# Altium PCB balenaFin_v1_x_x.PcbDoc (part 6 of 7) (continued)
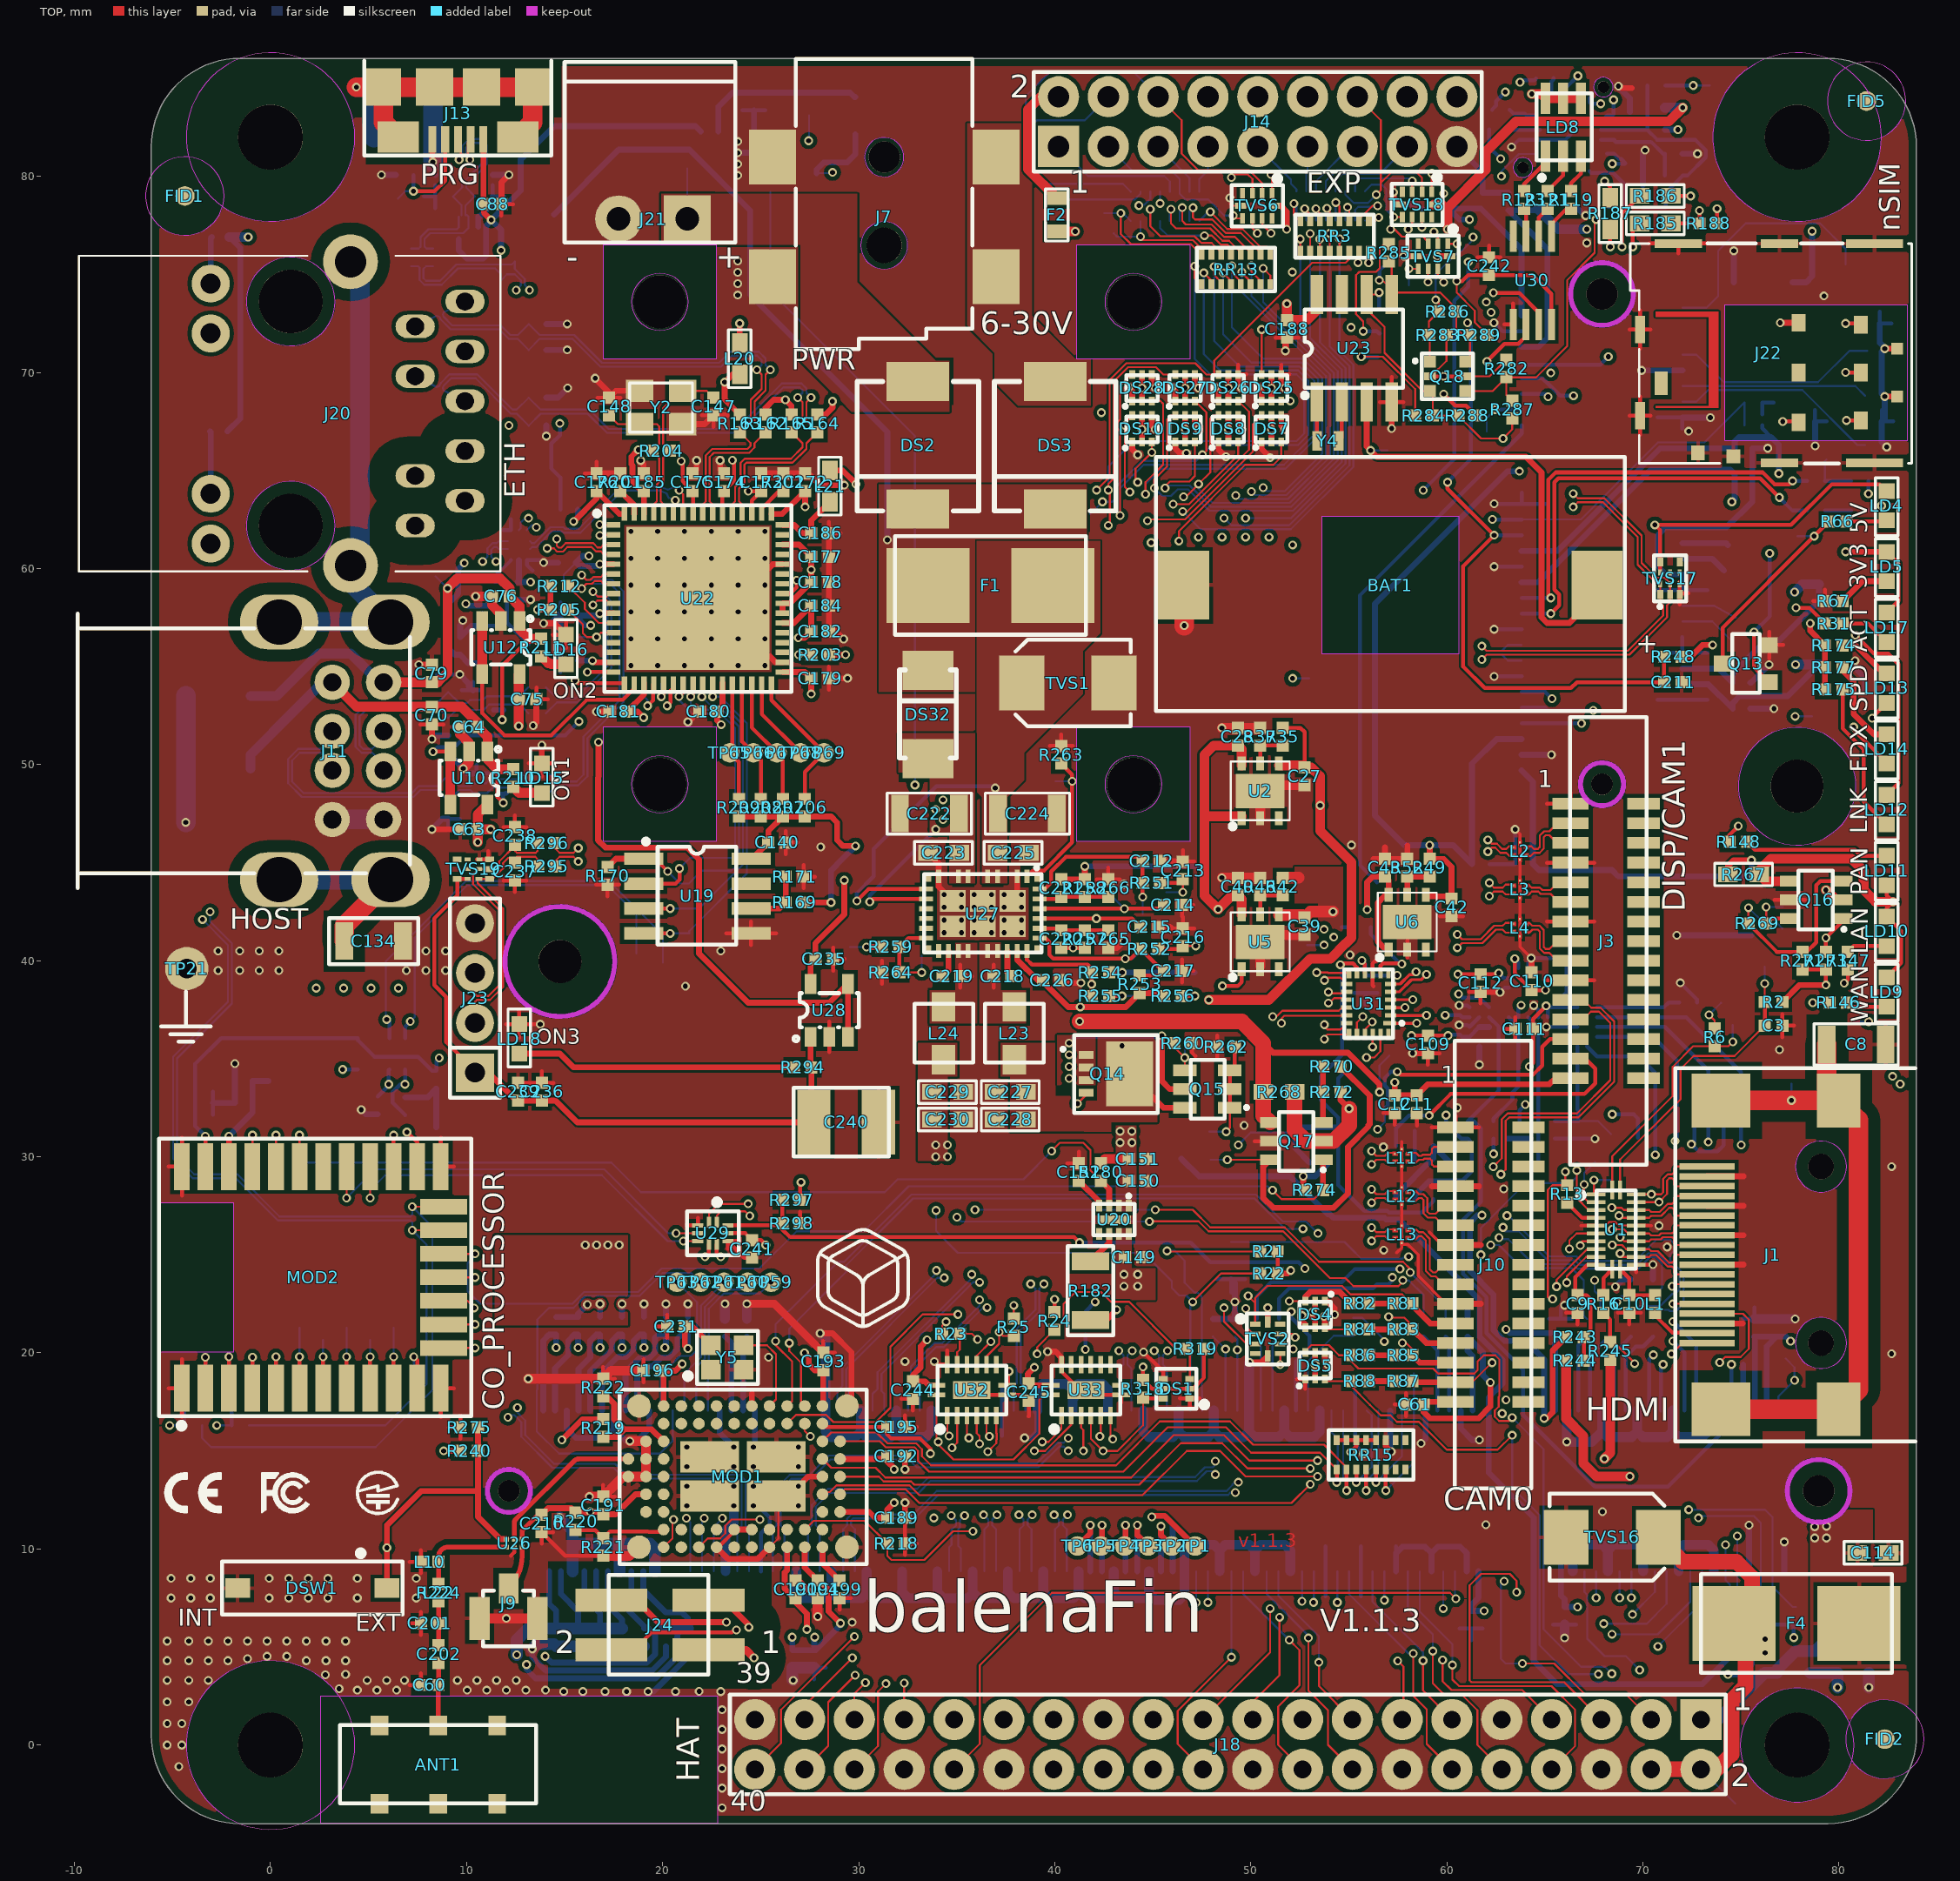
[diagram p0: TOP view]
## Nets (pads, with @x,y where several pads share a name; then routed paths per layer and width w, separated by ;. In a path a pad name is that pad's centre, name@x,y a point inside that pad or via, vN(x,y) a via of type N, cw(c..) or ccw(c..) an arc to the next point about the centre after c; other vN are vias at no path point) (continued)
WIFI_BLE_PDN: MOD1.C8 R218.2 R293.2 | length 37.7
  TOP w0.1: MOD1.C8@27.25,10.99 27.7,11.44 30.3,11.44 R218.2@31.46,10.28 31.46,9.648 31.666,9.442 33.342,9.442 34.806,10.906 v1(35.824,10.906)
  INT2 w0.1: v1(35.824,10.906) 40.759,10.906 41.89,12.037 45.023,12.037 53.567,20.581 v1(56.809,20.581)
  BOTTOM w0.1: R293.2@55.23,21.78 55.69,21.78 56.809,20.661 v1(56.809,20.581)
WIFI_SDIO_CLK: J2.52 MOD1.A5 pad.1@58.31,18.96 RR15.6 | length 39.6
  TOP w0.1: MOD1.A5@29.05,13.69 31.027,13.69 31.277,13.44 32.673,13.44 32.833,13.28 44.31,13.28 46.43,15.4 48.53,15.4 49.825,14.105 v1(53.03,14.105)
  TOP w0.2: v1(56.88,12.975) RR15.6@56.88,14.05
  INT1 w0.1: v1(53.03,14.105) 53.03,14.663 53.69,15.323 55.797,15.323 56.88,14.24 v1(56.88,12.975)
  BOTTOM w0.1: v1(56.88,12.975) 58.31,14.405 J2.52@58.31,17.06 pad.1@58.31,18.96
WIFI_SDIO_CMD: J2.54 MOD1.B4 RR15.5 | length 35.4
  TOP w0.1: MOD1.B4@28.15,14.59 28.6,14.14 30.86,14.14 31.36,13.64 43.9,13.64 46.06,15.8 48.63,15.8 49.923,14.507 v1(53.405,14.507)
  TOP w0.2: v1(56.38,13.4) RR15.5@56.38,14.05
  INT1 w0.1: v1(53.405,14.507) 55.273,14.507 v1(56.38,13.4)
  BOTTOM w0.1: v1(56.38,13.4) 57.71,14.73 J2.54@57.71,17.06
WIFI_SDIO_D0: J2.58 MOD1.B6 RR15.4 | length 35.9
  TOP w0.1: MOD1.B6@28.15,12.79 28.26,12.9 28.524,12.9 28.864,13.24 32.59,13.24 33.09,12.74 44.47,12.74 46.73,15 48.43,15 49.728,13.702 v1(53.405,13.702)
  TOP w0.2: v1(55.88,12.975) RR15.4@55.88,14.05
  INT1 w0.1: v1(53.405,13.702) 53.773,14.07 55.24,14.07 55.88,13.43 v1(55.88,12.975)
  BOTTOM w0.1: v1(55.88,12.975) 55.88,13.45 56.51,14.08 J2.58@56.51,17.06
WIFI_SDIO_D1: J2.60 MOD1.A6 RR15.3 | length 32.3
  TOP w0.1: MOD1.A6@29.05,12.79 29.3,13.04 32.39,13.04 33.09,12.34 52.07,12.34 v1(53.03,13.3)
  TOP w0.2: v1(55.38,13.4) RR15.3@55.38,14.05
  INT1 w0.1: v1(53.03,13.3) 53.533,13.3 54.093,13.86 54.92,13.86 v1(55.38,13.4)
  BOTTOM w0.1: v1(55.38,13.4) 56.16,14.18 56.16,16.81 J2.60@55.91,17.06
WIFI_SDIO_D2: J2.64 MOD1.B3 RR15.2 | length 35.1
  TOP w0.1: MOD1.B3@28.15,15.49 28.6,15.94 30.908,15.94 31.468,15.38 32.933,15.38 33.23,15.083 33.23,14.73 33.695,14.265 43.125,14.265 45.36,16.5 48.93,16.5 50.118,15.312 53.73,15.312 54.88,14.162 RR15.2@54.88,14.05
  TOP w0.2: v1(54.88,12.975) RR15.2@54.88,14.05
  BOTTOM w0.1: J2.64@54.71,17.06 54.71,13.6 54.88,13.43 v1(54.88,12.975)
WIFI_SDIO_D3: J2.66 MOD1.A3 RR15.1 | length 32.6
  TOP w0.1: MOD1.A3@29.05,15.49 31.075,15.49 31.385,15.18 32.85,15.18 33.03,15 33.03,14.5 33.59,13.94 43.5,13.94 45.76,16.2 48.73,16.2 50.02,14.91 53.533,14.91 54.38,14.063 RR15.1@54.38,14.05
  TOP w0.2: v1(54.38,13.4) RR15.1@54.38,14.05
  BOTTOM w0.1: J2.66@54.11,17.06 54.11,15.95 54.43,15.63 54.43,13.45 v1(54.38,13.4)
pads on no net: "J2. " "J7. " "J19. " "U27. " ANT1.1 ANT1.3 ANT1.4 ANT1.5 ANT1.6 FID1.1 FID2.1 FID3.1 FID4.1 FID5.1 FID6.1 J1. J1.14 J2. J2.106 J2.108 J2.112 J2.114 J2.124 J2.126 J2.128 J2.130 J2.132 J2.135 J2.137 J2.141 J2.143 J2.154 J2.156 J2.158 J2.160 J2.162 J2.177 J2.179 J3.16 J3.17 J3.18 J3.19 J3.20 J3.21 J3.22 J3.23 J3.24 J3.25 J3.26 J3.27 J3.28 J3.29 J3.30 J10.16 J10.17 J10.18 J10.19 J10.20 J10.21 J10.22 J10.23 J10.24 J10.25 J10.26 J10.27 J10.28 J10.29 J10.30 J19. J19.3 J19.5 J19.17 J19.19 J19.45 J19.47 J19.49 J19.51 J20. J22.6 J22.13 LD8. MOD1.B7 MOD1.B8 MOD1.D8 MOD1.E2 MOD1.E8 MOD1.F2 MOD1.F9 MOD1.G1 MOD1.G2 MOD1.G9 MOD1.H1 MOD1.H2 MOD1.H8 MOD1.J1 MOD1.J2 MOD1.J8 MOD1.K1 MOD1.K2 MOD1.K8 MOD1.K9 MOD1.L2 MOD1.L4 MOD1.L5 MOD1.L6 MOD1.L7 MOD1.M7 MOD2.25 RR4.3 RR4.6 RR15.7 RR15.8 RR15.9 RR15.10 TVS2.4 TVS2.9 TVS3.4 TVS3.6 TVS4.4 TVS4.6 TVS5.4 TVS5.6 TVS6.4 TVS6.9 TVS7.4 TVS7.9 TVS17.4 TVS17.6 TVS18.4 TVS18.7 TVS18.8 TVS18.9 TVS19.4 TVS19.6 U2.3 U5.3 U6.3 U17.A2 U17.A7 U17.A8 U17.A9 U17.A10 U17.A11 U17.A12 U17.A13 U17.A14 U17.B1 U17.B3 U17.B4 U17.B5 U17.B6 U17.B7 U17.B8 U17.B9 U17.B10 U17.B11 U17.B12 U17.B13 U17.B14 U17.C3 U17.C5 U17.C7 U17.C8 U17.C9 U17.C10 U17.C11 U17.C12 U17.C13 U17.C14 U17.D1 U17.D2 U17.D3 U17.D12 U17.D13 U17.D14 U17.E1 U17.E2 U17.E3 U17.E5 U17.E8 U17.E9 U17.E10 U17.E12 U17.E13 U17.E14 U17.F1 U17.F2 U17.F3 U17.F10 U17.F12 U17.F13 U17.F14 U17.G10 U17.G12 U17.G13 U17.G14 U17.H1 U17.H2 U17.H3 U17.H12 U17.H13 U17.H14 U17.J12 U17.J13 U17.J14 U17.K1 U17.K2 U17.K3 U17.K6 U17.K7 U17.K10 U17.K12 U17.K13 U17.K14 U17.L12 U17.L13 U17.L14 U17.M1 U17.M2 U17.M3 U17.M7 U17.M8 U17.M9 U17.M10 U17.M11 U17.M12 U17.M13 U17.M14 U17.N3 U17.N6 U17.N8 U17.N9 U17.N10 U17.N11 U17.N12 U17.N13 U17.N14 U17.P1 U17.P2 U17.P8 U17.P9 U17.P10 U17.P11 U17.P12 U17.P13 U17.P14 U19.7 U20.5 U22.13 U22.14 U22.35 U22.36 U22.37 U22.42 U22.43 U22.45 U22.47 U23.7 U25.2 U25.3 U25.4 U25.11 U27.13 U27.14 U27.15 U27.17 U30.4 U31.7 U31.24 U32.10 U32.13 U33.9 U33.10 U33.11 U33.12 U33.13 U33.14 Y5.1
copper on no net: | length 3.8
  TOP w0.1: v1(58.03,77.3) 58.23,77.5 58.23,77.92 ; v1(58.73,77.4) 58.73,77.92
  INT1 w0.1: v1(58.03,77.3) 58.03,77.321 v1(59.835,79.125)

## Polygon pours and split planes (outlines as drawn)
GND_DIGITAL on TOP "TOP-GND_DIGITAL" (solid, remove dead copper, pour order 3866): -1.57,86.013 79.43,86.013 cw(c79.43,81.5) 83.943,81.5 83.943,0.5 cw(c79.43,0.5) 79.43,-4.013 -1.57,-4.013 cw(c-1.57,0.5) -6.083,0.5 -6.083,81.5 cw(c-1.57,81.5)
NetDS2_1 on TOP "TOP-N17069111" (solid, remove dead copper, pour order 3839): 35.93,53.7 31.03,53.7 31.03,64.3 41.63,64.3 41.63,61.5 35.93,61.5 35.93,53.7
VIN_CON on TOP "TOP-VIN_CON" (solid, remove dead copper, pour order 3838): 34 vertices, not listed, extent 19.93,68 34.63,79.1
+VALIM on TOP "TOP-+VALIM" (solid, remove dead copper, pour order 3832): 36.03,61.396 42.33,61.396 42.33,56.7 41.43,55.8 41.43,53.6 38.43,50.6 38.43,49.2 37.58,48.35 37.58,43.954 36.28,43.954 36.28,48.35 36.03,48.6 36.03,51.7 36.03,53.6 36.03,54.9
VIN_JACK on TOP "TOP-VIN_JACK" (solid, remove dead copper, pour order 3830): 27 vertices, not listed, extent 35.53,68.3 41.83,82.7
+5V on TOP "TOP-+5V 1" (solid, remove dead copper, pour order 3824): 46 vertices, not listed, extent 78.53,3.9 83.43,12
+3V3 on TOP "TOP-+3V3" (solid, remove dead copper, pour order 3821): 104 vertices, not listed, extent 11.43,21.4 18.23,26
+5V_INT on TOP "TOP-+5V_INT" (solid, remove dead copper, pour order 3818): 151 vertices, not listed, extent 37.23,31.29 45.22,36.18
+5V on TOP "TOP-+5V 2" (solid, remove dead copper, pour order 3811): 253 vertices, not listed, extent 32.03,43.954 35.93,51.6
+3V3_ON on TOP "TOP-+3V3_ON" (solid, remove dead copper, pour order 3781): 34.53,31.3 33.03,31.3 33.03,35.8 35.03,35.8 35.03,34.1 34.53,34.1 34.53,31.3
+1V8 on TOP "TOP-+1V8" (solid, remove dead copper, pour order 3767): 113 vertices, not listed, extent 52.23,41.485 54.69,44.79
NetC219_2 on TOP "TOP-N18679781" (solid, remove dead copper, pour order 3761): 34.93,40.9 36.036,40.9 36.036,36.8 33.63,36.8 33.63,38.5 34.93,38.5 34.93,38.663 34.93,39.737
+3V3 on TOP "TOP-+3V3 1" (solid, remove dead copper, pour order 3757): 20 vertices, not listed, extent 43.12,22.7 45.13,26.365
+3V3_ON on TOP "TOP-+3V3_ON 2" (solid, remove dead copper, pour order 3752): 43.12,31.6 44.16,31.6 44.16,27.215 43.12,27.215 43.12,31.6
+3V3_ON on TOP "TOP-+3V3_ON 1" (solid, remove dead copper, pour order 3748): 34.53,32.595 34.53,29.8 33.03,29.8 33.03,32.595 34.53,32.595
NetC218_2 on TOP "TOP-N18679823 1" (solid, remove dead copper, pour order 3744): 36.149,40.935 37.23,40.935 37.23,38.5 38.53,38.5 38.53,36.8 36.149,36.8
+5V on TOP "TOP-+5V" (solid, remove dead copper, pour order 3741): 188 vertices, not listed, extent 40.13,33.66 42.07,36.2
+3V3 on POWER "POWER-+3V3" (solid, remove dead copper, pour order 3864): -1.57,86.013 79.43,86.013 cw(c79.43,81.5) 83.943,81.5 83.943,0.5 cw(c79.43,0.5) 79.43,-4.013 -1.57,-4.013 cw(c-1.57,0.5) -6.083,0.5 -6.083,81.5 cw(c-1.57,81.5)
+5V on POWER "POWER-+5V" (solid, remove dead copper, pour order 3859): 1325 vertices, not listed, extent 32.53,7.9 83.43,54.73
+3V3 on POWER "POWER-+3V3 1" (solid, remove dead copper, pour order 3860): 4041 vertices, not listed, extent 23.07,2.8 83.43,42.97
GND_DIGITAL on POWER "POWER-GND_DIGITAL" (solid, remove dead copper, pour order 3834): 125 vertices, not listed, extent -5.57,-3.5 23.43,5.7
+1V8 on POWER "POWER-+1V8" (solid, remove dead copper, pour order 3854): 1828 vertices, not listed, extent 19.75,11.719 54.64,42.85
+3V3_A on POWER "POWER-+3V3_A" (solid, remove dead copper, pour order 3851): 758 vertices, not listed, extent 14.33,56.71 29.23,69.1
+3V3_ON on POWER "POWER-+3V3_ON" (solid, remove dead copper, pour order 3844): 1895 vertices, not listed, extent 40.83,61 61.53,78.7
+3V3_ON on POWER "POWER-+3V3_ON 1" (solid, remove dead copper, pour order 3826): 143 vertices, not listed, extent 33.56,29.8 44.66,39.6
GND_DIGITAL on BOTTOM "BOTTOM-GND_DIGITAL" (solid, remove dead copper, pour order 3868): -1.57,86.013 79.43,86.013 cw(c79.43,81.5) 83.943,81.5 83.943,0.5 cw(c79.43,0.5) 79.43,-4.013 -1.57,-4.013 cw(c-1.57,0.5) -6.083,0.5 -6.083,81.5 cw(c-1.57,81.5)
+3V3_ON on BOTTOM "BOTTOM-+3V3_ON" (solid, remove dead copper, pour order 3856): 1612 vertices, not listed, extent -0.37,29.8 51.33,62.043
+3V3 on INT4 "INT4-+3V3" (solid, remove dead copper, pour order 3870): -1.57,86.013 79.43,86.013 cw(c79.43,81.5) 83.943,81.5 83.943,0.5 cw(c79.43,0.5) 79.43,-4.013 -1.57,-4.013 cw(c-1.57,0.5) -6.083,0.5 -6.083,81.5 cw(c-1.57,81.5)
GND_DIGITAL on INT4 "INT4-GND_DIGITAL" (solid, remove dead copper, pour order 3835): 125 vertices, not listed, extent -5.57,-3.5 23.43,5.7
+3V3 on INT4 "INT4-+3V3 1" (solid, remove dead copper, pour order 3709): 145 vertices, not listed, extent 17.167,52.15 19.842,53.313
GND_DIGITAL on INT2 "INT2-GND_DIGITAL" (solid, remove dead copper, pour order 3869): -1.57,86.013 79.43,86.013 cw(c79.43,81.5) 83.943,81.5 83.943,0.5 cw(c79.43,0.5) 79.43,-4.013 -1.57,-4.013 cw(c-1.57,0.5) -6.083,0.5 -6.083,81.5 cw(c-1.57,81.5)
+5V on INT2 "INT2-+5V" (solid, remove dead copper, pour order 3840): 672 vertices, not listed, extent 32.83,33.7 41.33,57.256
no net on PLACE_GRID_TOP "XSECTION_CHART-No Net" (solid, remove dead copper, pour order 3849): 228.584,61.072 228.584,60.46 229.219,60.46 229.219,10.82 228.584,10.82 228.584,10.208 232.394,10.208 232.394,10.82 231.759,10.82 231.759,60.46 232.394,60.46 232.394,61.072 228.584,61.072
GND_DIGITAL on GND "GND_DIGITAL_L02_P3865" (solid, remove dead copper, pour order 3865): -1.57,86.013 79.43,86.013 cw(c79.43,81.5) 83.943,81.5 83.943,0.5 cw(c79.43,0.5) 79.43,-4.013 -1.57,-4.013 cw(c-1.57,0.5) -6.083,0.5 -6.083,81.5 cw(c-1.57,81.5)
GND_DIGITAL on INT3 "INT3-GND_DIGITAL" (solid, remove dead copper, pour order 3867): -1.57,86.013 79.43,86.013 cw(c79.43,81.5) 83.943,81.5 83.943,0.5 cw(c79.43,0.5) 79.43,-4.013 -1.57,-4.013 cw(c-1.57,0.5) -6.083,0.5 -6.083,81.5 cw(c-1.57,81.5)
GND_DIGITAL on INT1 "INT1-GND_DIGITAL" (solid, remove dead copper, pour order 3871): -1.57,86.013 79.43,86.013 cw(c79.43,81.5) 83.943,81.5 83.943,0.5 cw(c79.43,0.5) 79.43,-4.013 -1.57,-4.013 cw(c-1.57,0.5) -6.083,0.5 -6.083,81.5 cw(c-1.57,81.5)

## Keep-outs
TOP:
  circle w0.025: c19.86,49 r1.45
  circle w0.025: c44.01,49 r1.45
  circle w0.025: c19.86,73.6 r1.45
  circle w0.025: c44.01,73.6 r1.45
GND:
  circle w0.025: c19.86,49 r1.45
  circle w0.025: c44.01,49 r1.45
  circle w0.025: c19.86,73.6 r1.45
  circle w0.025: c44.01,73.6 r1.45
INT1:
  circle w0.025: c19.86,49 r1.45
  circle w0.025: c44.01,49 r1.45
  circle w0.025: c19.86,73.6 r1.45
  circle w0.025: c44.01,73.6 r1.45
INT2:
  circle w0.025: c19.86,49 r1.45
  circle w0.025: c44.01,49 r1.45
  circle w0.025: c19.86,73.6 r1.45
  circle w0.025: c44.01,73.6 r1.45
POWER:
  circle w0.025: c19.86,49 r1.45
  circle w0.025: c44.01,49 r1.45
  circle w0.025: c19.86,73.6 r1.45
  circle w0.025: c44.01,73.6 r1.45
BOTTOM:
  circle w0.025: c19.86,49 r1.45
  circle w0.025: c44.01,49 r1.45
  circle w0.025: c19.86,73.6 r1.45
  circle w0.025: c44.01,73.6 r1.45
Multi-Layer:
  circle w0.025: c0,82 r4.3
  circle w0.025: c77.86,82 r4.3
  circle w0.025: c77.86,0 r2.9
  circle w0.025: c0,0 r4.3
  circle w0.025: c77.86,48.9 r3
  region: 2.56,-4 2.56,2.5 22.79,2.5 22.79,-4 2.56,-4

## Other copper
TOP:
  text "v1.1.3" at 49.35,10.087 h0.7

## Silkscreen, mask and mechanical layers (free items; w line width, h text height)
Top Overlay:
  drawing of 1616 lines, arcs and shapes, not listed
  text "2" at 37.7,83.62 h2
  text "PRG" at 7.65,79.24 h1.8
  text "EXP" at 52.825,78.8 h1.8
  text "1" at 40.773,78.76 h2
  text "nSIM" at 83.44,77.21 h1.8 r90
  text "+" at 22.7,75.34 h1.2
  text "-" at 15.09,75.32 h1.2
  text "6-30V" at 36.2,71.54 h2
  text "PWR" at 26.58,69.79 h1.8
  text "ETH" at 13.32,63.59 h1.8 r90
  text "5V" at 81.72,61.79 h1.5 r90
  text "3V3" at 81.69,58.97 h1.5 r90
  text "ACT" at 81.71,55.72 h1.5 r90
  text "+" at 69.639,55.708 h1
  text "ON2" at 14.408,53.14 h1.3
  text "SPD" at 81.71,52.69 h1.5 r90
  text "FDX" at 81.72,49.61 h1.5 r90
  text "1" at 64.639,48.55 h1.5
  text "ON1" at 15.51,48.13 h1.3 r90
  text "LNK" at 81.72,46.47 h1.5 r90
  text "PAN" at 81.74,43.33 h1.5 r90
  text "DISP/CAM1" at 72.54,42.49 h2 r90
  text "HOST" at -2.07,41.26 h1.8
  text "LAN" at 81.76,40.33 h1.5 r90
  text "WAN" at 81.76,36.87 h1.5 r90
  text "ON3" at 13.548,35.495 h1.3
  text "1" at 59.689,33.474 h1.5
  text "CO_PROCESSOR" at 12.26,17.08 h1.85 r90
  text "HDMI" at 67.07,16.14 h2
  text "CAM0" at 59.83,11.58 h2
  text "INT" at -4.71,5.79 h1.5
  text "EXT" at 4.35,5.526 h1.5
  text "V1.1.3" at 53.52,5.4 h2
  text "balena" at 30.24,4.91 h4.5
  text "Fin" at 42.26,4.91 h4.5
  text "2" at 14.5,4.28 h2
  text "1" at 25.01,4.27 h2
  text "39" at 23.73,2.82 h1.8
  text "1" at 74.572,1.38 h2
  text "HAT" at 22.27,-1.88 h2 r90
  text "2" at 74.46,-2.51 h2
  text "40" at 23.47,-3.7 h1.8
Bottom Overlay:
  drawing of 169 lines, arcs and shapes, not listed
  text "+" at 37.02,83.33 h1.5
  text "-" at 30.83,83.3 h1.5
  text "mPCIE" at 40.21,78.17 h1.8
  text "1" at 74,72.51 h0.8
  text "DISP" at 52.29,39.88 h1.6
  text "3V3O" at 1.66,39.27 h1.3 r270
  text "RST" at 3.06,39.27 h1.3 r270
  text "SWC" at 4.46,39.27 h1.3 r270
  text "SWD" at 5.86,39.27 h1.3 r270
  text "CAM1" at 52.8,29.21 h1.6
  text "Raspberry Pi" at 50.47,5.77 h2
  text "CM3L" at 45.49,3.97 h1.8
Board-outline:
  lines w0.025: -6.07,0.5 ccw(c-1.57,0.5) -1.57,-4 79.43,-4 ccw(c79.43,0.5) 83.93,0.5 83.93,81.5 ccw(c79.43,81.5) 79.43,86 -1.57,86 ccw(c-1.57,81.5) -6.07,81.5 -6.07,0.5
Fab-notes:
  drawing of 539 lines, arcs and shapes, not listed
  text "1-8" at 393.288,180.571 h1 r90
  text "*  SURFACE - AIR 0 MM" at 401.543,179.905 h1
  text "L1 TOP CONDUCTOR - COPPER 0.018 MM" at 401.543,178.238 h1
  text "*  DIELECTRIC - FR-4 0.13 MM" at 401.543,176.75 h1
  text "L2 GND CONDUCTOR - COPPER 0.018 MM" at 401.543,173.206 h1
  text "*  DIELECTRIC - FR-4 0.254 MM" at 401.543,169.61 h1
  text "L3 INT1 CONDUCTOR - COPPER 0.018 MM" at 401.543,163.958 h1
  text "*  DIELECTRIC - FR-4 0.165 MM" at 401.543,161.875 h1
  text "L4 INT2 CONDUCTOR - COPPER 0.018 MM" at 401.543,157.736 h1
  text "*  DIELECTRIC - FR-4 0.254 MM" at 401.543,154.14 h1
  text "L5 INT3 CONDUCTOR - COPPER 0.018 MM" at 401.543,148.489 h1
  text "*  DIELECTRIC - FR-4 0.165 MM" at 401.543,146.405 h1
  text "L6 INT4 CONDUCTOR - COPPER 0.018 MM" at 401.543,142.267 h1
  text "*  DIELECTRIC - FR-4 0.254 MM" at 401.543,138.67 h1
  text "L7 POWER CONDUCTOR - COPPER 0.018 MM" at 401.543,133.019 h1
  text "*  DIELECTRIC - FR-4 0.13 MM" at 401.543,131.53 h1
  text "L8 BOTTOM CONDUCTOR - COPPER 0.018 MM" at 401.543,127.987 h1
  text "*  SURFACE - AIR 0 MM" at 401.543,126.654 h1
  text "___________________________" at 383.123,124.257 h1
  text "DESIGN CROSS SECTION CHART" at 383.523,124.257 h1
  text "TOTAL THICKNESS 1.496 MM" at 384.323,122.457 h1
  text "Layer" at 197.389,45.766 h1.52
  text "Name" at 207.801,45.766 h1.52
  text "Material" at 231.416,45.766 h1.52
  text "Thickness" at 253.254,45.766 h1.52
  text "Constant" at 269.76,45.766 h1.52
  text "Board Layer Stack" at 284.234,45.766 h1.52
  text "1" at 197.389,42.718 h1.52
  text "Top Overlay" at 207.801,42.718 h1.52
  text "2" at 197.389,39.67 h1.52
  text "Top Solder" at 207.801,39.67 h1.52
  text "Solder Resist" at 231.416,39.67 h1.52
  text "0.010mm" at 253.254,39.67 h1.52
  text "3.5" at 269.76,39.67 h1.52
  text "3" at 197.389,36.622 h1.52
  text "TOP" at 207.801,36.622 h1.52
  text "Copper" at 231.416,36.622 h1.52
  text "0.018mm" at 253.254,36.622 h1.52
  text "4" at 197.389,33.574 h1.52
  text "Dielectric 1" at 207.801,33.574 h1.52
  text "FR-4" at 231.416,33.574 h1.52
  text "0.130mm" at 253.254,33.574 h1.52
  text "4.5" at 269.76,33.574 h1.52
  text "5" at 197.389,30.526 h1.52
  text "GND" at 207.801,30.526 h1.52
  text "Copper" at 231.416,30.526 h1.52
  text "0.018mm" at 253.254,30.526 h1.52
  text "6" at 197.389,27.478 h1.52
  text "Dielectric2" at 207.801,27.478 h1.52
  text "FR-4" at 231.416,27.478 h1.52
  text "0.254mm" at 253.254,27.478 h1.52
  text "4.5" at 269.76,27.478 h1.52
  text "7" at 197.389,24.43 h1.52
  text "INT1" at 207.801,24.43 h1.52
  text "Copper" at 231.416,24.43 h1.52
  text "0.018mm" at 253.254,24.43 h1.52
  text "8" at 197.389,21.382 h1.52
  text "Dielectric3" at 207.801,21.382 h1.52
  text "FR-4" at 231.416,21.382 h1.52
  text "0.165mm" at 253.254,21.382 h1.52
  text "4.5" at 269.76,21.382 h1.52
  text "9" at 197.389,18.334 h1.52
  text "INT2" at 207.801,18.334 h1.52
  text "Copper" at 231.416,18.334 h1.52
  text "0.018mm" at 253.254,18.334 h1.52
  text "10" at 197.389,15.286 h1.52
  text "Dielectric4" at 207.801,15.286 h1.52
  text "FR-4" at 231.416,15.286 h1.52
  text "0.254mm" at 253.254,15.286 h1.52
  text "4.5" at 269.76,15.286 h1.52
  text "11" at 197.389,12.238 h1.52
  text "INT3" at 207.801,12.238 h1.52
  text "Copper" at 231.416,12.238 h1.52
  text "0.018mm" at 253.254,12.238 h1.52
  text "12" at 197.389,9.19 h1.52
  text "Dielectric5" at 207.801,9.19 h1.52
  text "FR-4" at 231.416,9.19 h1.52
  text "0.165mm" at 253.254,9.19 h1.52
  text "4.5" at 269.76,9.19 h1.52
  text "13" at 197.389,6.142 h1.52
  text "INT4" at 207.801,6.142 h1.52
  text "Copper" at 231.416,6.142 h1.52
  text "0.018mm" at 253.254,6.142 h1.52
  text "14" at 197.389,3.094 h1.52
  text "Dielectric6" at 207.801,3.094 h1.52
  text "FR-4" at 231.416,3.094 h1.52
  text "0.254mm" at 253.254,3.094 h1.52
  text "4.5" at 269.76,3.094 h1.52
  text "15" at 197.389,0.046 h1.52
  text "POWER" at 207.801,0.046 h1.52
  text "Copper" at 231.416,0.046 h1.52
  text "0.018mm" at 253.254,0.046 h1.52
  text "16" at 197.389,-3.002 h1.52
  text "Dielectric7" at 207.801,-3.002 h1.52
  text "FR-4" at 231.416,-3.002 h1.52
  text "0.130mm" at 253.254,-3.002 h1.52
  text "4.5" at 269.76,-3.002 h1.52
  text "17" at 197.389,-6.05 h1.52
  text "BOTTOM" at 207.801,-6.05 h1.52
  text "Copper" at 231.416,-6.05 h1.52
  text "0.018mm" at 253.254,-6.05 h1.52
  text "18" at 197.389,-9.098 h1.52
  text "Bottom Solder" at 207.801,-9.098 h1.52
  text "Solder Resist" at 231.416,-9.098 h1.52
  text "0.010mm" at 253.254,-9.098 h1.52
  text "3.5" at 269.76,-9.098 h1.52
  text "19" at 197.389,-12.146 h1.52
  text "Bottom Overlay" at 207.801,-12.146 h1.52
Drill Drawing:
  drawing of 163 lines, arcs and shapes, not listed
  text "Symbol" at 181.243,191.02 h1.21
  text "Count" at 190.048,191.02 h1.21
  text "Hole Size" at 201.011,191.02 h1.21
  text "Plated" at 220.573,191.02 h1.21
  text "Hole Type" at 229.379,191.02 h1.21
  text "Drill Layer Pair" at 242.029,191.02 h1.21
  text "Via/Pad" at 262.368,191.02 h1.21
  text "Pad Shape" at 272.59,191.02 h1.21
  text "Template" at 285.442,191.02 h1.21
  text "Hole Length" at 303.149,191.02 h1.21
  text "1048" at 190.048,188.49 h1.01
  text "10.00mil (0.254mm)" at 201.011,188.49 h1.01
  text "PTH" at 220.573,188.49 h1.01
  text "Round" at 229.379,188.49 h1.01
  text "TOP - BOTTOM" at 242.029,188.49 h1.01
  text "Via" at 262.368,188.49 h1.01
  text "Rounded" at 272.59,188.49 h1.01
  text "v45h25m0mx0" at 285.442,188.49 h1.01
  text "-" at 303.149,188.49 h1.01
  text "2" at 190.048,185.96 h1.01
  text "23.62mil (0.600mm)" at 201.011,185.96 h1.01
  text "NPTH" at 220.573,185.96 h1.01
  text "Round" at 229.379,185.96 h1.01
  text "TOP - BOTTOM" at 242.029,185.96 h1.01
  text "Pad" at 262.368,185.96 h1.01
  text "Rounded" at 272.59,185.96 h1.01
  text "c60hn60" at 285.442,185.96 h1.01
  text "-" at 303.149,185.96 h1.01
  text "D" at 180.693,185.706 h1.12
  text "40" at 190.048,183.43 h1.01
  text "35.43mil (0.900mm)" at 201.011,183.43 h1.01
  text "PTH" at 220.573,183.43 h1.01
  text "Round" at 229.379,183.43 h1.01
  text "TOP - BOTTOM" at 242.029,183.43 h1.01
  text "Pad" at 262.368,183.43 h1.01
  text "(Mixed)" at 272.59,183.43 h1.01
  text "(Mixed)" at 285.442,183.43 h1.01
  text "-" at 303.149,183.43 h1.01
  text "9" at 190.048,180.9 h1.01
  text "35.43mil (0.900mm)" at 201.011,180.9 h1.01
  text "PTH" at 220.573,180.9 h1.01
  text "Slot" at 229.379,180.9 h1.01
  text "TOP - BOTTOM" at 242.029,180.9 h1.01
  text "Pad" at 262.368,180.9 h1.01
  text "Rounded" at 272.59,180.9 h1.01
  text "r200_120h90r100" at 285.442,180.9 h1.01
  text "35.43mil (0.900mm)" at 303.149,180.9 h1.01
  text "8" at 190.048,178.37 h1.01
  text "36.22mil (0.920mm)" at 201.011,178.37 h1.01
  text "PTH" at 220.573,178.37 h1.01
  text "Round" at 229.379,178.37 h1.01
  text "TOP - BOTTOM" at 242.029,178.37 h1.01
  text "Pad" at 262.368,178.37 h1.01
  text "Rounded" at 272.59,178.37 h1.01
  text "c180h92" at 285.442,178.37 h1.01
  text "-" at 303.149,178.37 h1.01
  text "5" at 190.048,175.84 h1.01
  text "39.37mil (1.000mm)" at 201.011,175.84 h1.01
  text "PTH" at 220.573,175.84 h1.01
  text "Round" at 229.379,175.84 h1.01
  text "TOP - BOTTOM" at 242.029,175.84 h1.01
  text "Pad" at 262.368,175.84 h1.01
  text "(Mixed)" at 272.59,175.84 h1.01
  text "(Mixed)" at 285.442,175.84 h1.01
  text "-" at 303.149,175.84 h1.01
  text "4" at 190.048,173.31 h1.01
  text "40.16mil (1.020mm)" at 201.011,173.31 h1.01
  text "PTH" at 220.573,173.31 h1.01
  text "Round" at 229.379,173.31 h1.01
  text "TOP - BOTTOM" at 242.029,173.31 h1.01
  text "Pad" at 262.368,173.31 h1.01
  text "Rounded" at 272.59,173.31 h1.01
  text "c194h102" at 285.442,173.31 h1.01
  text "-" at 303.149,173.31 h1.01
  text "2" at 190.048,170.78 h1.01
  text "43.31mil (1.100mm)" at 201.011,170.78 h1.01
  text "NPTH" at 220.573,170.78 h1.01
  text "Round" at 229.379,170.78 h1.01
  text "TOP - BOTTOM" at 242.029,170.78 h1.01
  text "Pad" at 262.368,170.78 h1.01
  text "Rounded" at 272.59,170.78 h1.01
  text "c110hn110" at 285.442,170.78 h1.01
  text "-" at 303.149,170.78 h1.01
  text "A" at 180.693,170.526 h1.12
  text "18" at 190.048,168.25 h1.01
  text "43.31mil (1.100mm)" at 201.011,168.25 h1.01
  text "PTH" at 220.573,168.25 h1.01
  text "Round" at 229.379,168.25 h1.01
  text "TOP - BOTTOM" at 242.029,168.25 h1.01
  text "Pad" at 262.368,168.25 h1.01
  text "(Mixed)" at 272.59,168.25 h1.01
  text "(Mixed)" at 285.442,168.25 h1.01
  text "-" at 303.149,168.25 h1.01
  text "2" at 190.048,165.72 h1.01
  text "47.24mil (1.200mm)" at 201.011,165.72 h1.01
  text "PTH" at 220.573,165.72 h1.01
  text "Round" at 229.379,165.72 h1.01
  text "TOP - BOTTOM" at 242.029,165.72 h1.01
  text "Pad" at 262.368,165.72 h1.01
  text "(Mixed)" at 272.59,165.72 h1.01
  text "(Mixed)" at 285.442,165.72 h1.01
  text "-" at 303.149,165.72 h1.01
  text "2" at 190.048,163.19 h1.01
  text "51.18mil (1.300mm)" at 201.011,163.19 h1.01
  text "NPTH" at 220.573,163.19 h1.01
  text "Round" at 229.379,163.19 h1.01
  text "TOP - BOTTOM" at 242.029,163.19 h1.01
  text "Pad" at 262.368,163.19 h1.01
  text "Rounded" at 272.59,163.19 h1.01
  text "c130hn130" at 285.442,163.19 h1.01
  text "-" at 303.149,163.19 h1.01
  text "F" at 180.693,162.936 h1.12
  text "3" at 190.048,160.66 h1.01
  text "62.99mil (1.600mm)" at 201.011,160.66 h1.01
  text "NPTH" at 220.573,160.66 h1.01
  text "Round" at 229.379,160.66 h1.01
  text "TOP - BOTTOM" at 242.029,160.66 h1.01
  text "Pad" at 262.368,160.66 h1.01
  text "Rounded" at 272.59,160.66 h1.01
  text "c160hn160" at 285.442,160.66 h1.01
  text "-" at 303.149,160.66 h1.01
  text "2" at 190.048,158.129 h1.01
  text "62.99mil (1.600mm)" at 201.011,158.129 h1.01
  text "PTH" at 220.573,158.129 h1.01
  text "Round" at 229.379,158.129 h1.01
  text "TOP - BOTTOM" at 242.029,158.129 h1.01
  text "Pad" at 262.368,158.129 h1.01
  text "Rounded" at 272.59,158.129 h1.01
  text "c280h160" at 285.442,158.129 h1.01
  text "-" at 303.149,158.129 h1.01
  text "1" at 190.048,155.599 h1.01
  text "70.87mil (1.800mm)" at 201.011,155.599 h1.01
  text "NPTH" at 220.573,155.599 h1.01
  text "Round" at 229.379,155.599 h1.01
  text "TOP - BOTTOM" at 242.029,155.599 h1.01
  text "Pad" at 262.368,155.599 h1.01
  text "Rounded" at 272.59,155.599 h1.01
  text "c180hn180" at 285.442,155.599 h1.01
  text "-" at 303.149,155.599 h1.01
  text "1" at 190.048,153.069 h1.01
  text "86.61mil (2.200mm)" at 201.011,153.069 h1.01
  text "NPTH" at 220.573,153.069 h1.01
  text "Round" at 229.379,153.069 h1.01
  text "TOP - BOTTOM" at 242.029,153.069 h1.01
  text "Pad" at 262.368,153.069 h1.01
  text "Rounded" at 272.59,153.069 h1.01
  text "c220hn220" at 285.442,153.069 h1.01
  text "-" at 303.149,153.069 h1.01
  text "C" at 180.693,152.816 h1.12
  text "4" at 190.048,150.539 h1.01
  text "90.55mil (2.300mm)" at 201.011,150.539 h1.01
  text "PTH" at 220.573,150.539 h1.01
  text "Round" at 229.379,150.539 h1.01
  text "TOP - BOTTOM" at 242.029,150.539 h1.01
  text "Pad" at 262.368,150.539 h1.01
  text "Rounded" at 272.59,150.539 h1.01
  text "r400_280h230r100" at 285.442,150.539 h1.01
  text "-" at 303.149,150.539 h1.01
  text "4" at 190.048,148.009 h1.01
  text "106.30mil (2.700mm)" at 201.011,148.009 h1.01
  text "NPTH" at 220.573,148.009 h1.01
  text "Round" at 229.379,148.009 h1.01
  text "TOP - BOTTOM" at 242.029,148.009 h1.01
  text "Pad" at 262.368,148.009 h1.01
  text "Rounded" at 272.59,148.009 h1.01
  text "c270hn270m270" at 285.442,148.009 h1.01
  text "-" at 303.149,148.009 h1.01
  text "E" at 180.693,147.755 h1.12
  text "1" at 190.048,145.479 h1.01
  text "106.30mil (2.700mm)" at 201.011,145.479 h1.01
  text "PTH" at 220.573,145.479 h1.01
  text "Round" at 229.379,145.479 h1.01
  text "TOP - BOTTOM" at 242.029,145.479 h1.01
  text "Pad" at 262.368,145.479 h1.01
  text "Rounded" at 272.59,145.479 h1.01
  text "c270h270" at 285.442,145.479 h1.01
  text "-" at 303.149,145.479 h1.01
  text "2" at 190.048,142.949 h1.01
  text "127.95mil (3.250mm)" at 201.011,142.949 h1.01
  text "NPTH" at 220.573,142.949 h1.01
  text "Round" at 229.379,142.949 h1.01
  text "TOP - BOTTOM" at 242.029,142.949 h1.01
  text "Pad" at 262.368,142.949 h1.01
  text "Rounded" at 272.59,142.949 h1.01
  text "c325hn325" at 285.442,142.949 h1.01
  text "-" at 303.149,142.949 h1.01
  text "4" at 190.048,140.419 h1.01
  text "129.92mil (3.300mm)" at 201.011,140.419 h1.01
  text "NPTH" at 220.573,140.419 h1.01
  text "Round" at 229.379,140.419 h1.01
  text "TOP - BOTTOM" at 242.029,140.419 h1.01
  text "Pad" at 262.368,140.419 h1.01
  text "Rounded" at 272.59,140.419 h1.01
  text "c330hn330" at 285.442,140.419 h1.01
  text "-" at 303.149,140.419 h1.01
  text "B" at 180.693,140.165 h1.12
  text "1162 Total" at 190.048,137.889 h1.01
  text "Slot definitions :" at 181.243,135.273 h1.01
  text "Routed Path Length" at 198.9,135.273 h1.01
  text "= Calculated from tool start centre position to tool end centre position." at 217.737,135.273 h1.01
  text "Hole Length" at 198.9,133.416 h1.01
  text "= Routed Path Length + Tool Size = Slot length as defined in the PCB layout" at 210.824,133.416 h1.01

## Text inside footprints (layer, text, board x,y; h text height)
J14: PIN_NUMBER "18" at 60.27,83.96 h0.2; PIN_NUMBER "16" at 57.77,83.96 h0.2; PIN_NUMBER "15" at 57.77,81.42 h0.2; PIN_NUMBER "14" at 55.17,83.96 h0.2; PIN_NUMBER "12" at 52.63,83.96 h0.2; PIN_NUMBER "13" at 55.17,81.42 h0.2; PIN_NUMBER "11" at 52.67,81.42 h0.2; PIN_NUMBER "9" at 50.33,81.42 h0.2; PIN_NUMBER "7" at 47.73,81.42 h0.2; PIN_NUMBER "5" at 45.23,81.42 h0.2; PIN_NUMBER "3" at 42.63,81.42 h0.2; PIN_NUMBER "1" at 40.13,81.42 h0.2; PIN_NUMBER "10" at 50.17,83.96 h0.2; PIN_NUMBER "8" at 47.73,83.96 h0.2; PIN_NUMBER "6" at 45.23,83.96 h0.2; PIN_NUMBER "4" at 42.63,83.96 h0.2; PIN_NUMBER "2" at 40.09,83.96 h0.2; PIN_NUMBER "17" at 60.27,81.42 h0.2
J18: PIN_NUMBER "27" at 39.54,1.4 h0.2 r180; PIN_NUMBER "28" at 39.54,-1.14 h0.2 r180; PIN_NUMBER "32" at 34.48,-1.14 h0.2 r180; PIN_NUMBER "26" at 42.04,-1.14 h0.2 r180; PIN_NUMBER "24" at 44.64,-1.14 h0.2 r180; PIN_NUMBER "22" at 47.18,-1.14 h0.2 r180; PIN_NUMBER "18" at 52.24,-1.14 h0.2 r180; PIN_NUMBER "16" at 54.74,-1.14 h0.2 r180; PIN_NUMBER "37" at 26.84,1.4 h0.2 r180; PIN_NUMBER "33" at 31.94,1.4 h0.2 r180; PIN_NUMBER "31" at 34.44,1.4 h0.2 r180; PIN_NUMBER "29" at 36.94,1.4 h0.2 r180; PIN_NUMBER "23" at 44.64,1.4 h0.2 r180; PIN_NUMBER "21" at 47.14,1.4 h0.2 r180; PIN_NUMBER "19" at 49.64,1.4 h0.2 r180; PIN_NUMBER "15" at 54.74,1.4 h0.2 r180; PIN_NUMBER "13" at 57.34,1.4 h0.2 r180; PIN_NUMBER "11" at 59.84,1.4 h0.2 r180; PIN_NUMBER "7" at 65.1,1.4 h0.2 r180; PIN_NUMBER "10" at 62.34,-1.14 h0.2 r180; PIN_NUMBER "8" at 65.1,-1.14 h0.2 r180; PIN_NUMBER "36" at 29.34,-1.14 h0.2 r180; PIN_NUMBER "4" at 70.2,-1.14 h0.2 r180; PIN_NUMBER "2" at 72.74,-1.14 h0.2 r180; PIN_NUMBER "1" at 72.7,1.4 h0.2 r180; PIN_NUMBER "17" at 52.24,1.4 h0.2 r180; PIN_NUMBER "40" at 24.24,-1.14 h0.2 r180; PIN_NUMBER "38" at 26.84,-1.14 h0.2 r180; PIN_NUMBER "35" at 29.34,1.4 h0.2 r180; PIN_NUMBER "12" at 59.88,-1.14 h0.2 r180; PIN_NUMBER "9" at 62.5,1.4 h0.2 r180; PIN_NUMBER "6" at 67.6,-1.14 h0.2 r180; PIN_NUMBER "14" at 57.34,-1.14 h0.2 r180; PIN_NUMBER "20" at 49.64,-1.14 h0.2 r180; PIN_NUMBER "25" at 42.04,1.4 h0.2 r180; PIN_NUMBER "30" at 36.94,-1.14 h0.2 r180; PIN_NUMBER "34" at 31.94,-1.14 h0.2 r180; PIN_NUMBER "39" at 24.24,1.4 h0.2 r180; PIN_NUMBER "5" at 67.6,1.4 h0.2 r180; PIN_NUMBER "3" at 70.2,1.4 h0.2 r180
J19: PIN_NUMBER "39" at 71.85,54.9 h0.2 r90; PIN_NUMBER "2" at 63.73,72.9 h0.2 r90; PIN_NUMBER "41" at 71.85,54.1 h0.2 r90; PIN_NUMBER "24" at 63.65,60.9 h0.2 r90; PIN_NUMBER "52" at 63.65,49.7 h0.2 r90; PIN_NUMBER "9" at 71.93,70.1 h0.2 r90; PIN_NUMBER "50" at 63.65,50.5 h0.2 r90; PIN_NUMBER "18" at 63.65,63.3 h0.2 r90; PIN_NUMBER "21" at 71.85,62.1 h0.2 r90; PIN_NUMBER "29" at 71.85,58.9 h0.2 r90; PIN_NUMBER "40" at 63.65,54.5 h0.2 r90; PIN_NUMBER "34" at 63.65,56.9 h0.2 r90; PIN_NUMBER "27" at 71.85,59.7 h0.2 r90; PIN_NUMBER "26" at 63.65,60.1 h0.2 r90; PIN_NUMBER "15" at 71.85,67.7 h0.2 r90; PIN_NUMBER "4" at 63.73,72.1 h0.2 r90; PIN_NUMBER "43" at 71.85,53.3 h0.2 r90; PIN_NUMBER "37" at 71.85,55.7 h0.2 r90; PIN_NUMBER "35" at 71.85,56.5 h0.2 r90; PIN_NUMBER "51" at 71.85,50.1 h0.2 r90; PIN_NUMBER "5" at 71.93,71.7 h0.2 r90; PIN_NUMBER "49" at 71.85,50.9 h0.2 r90; PIN_NUMBER "47" at 71.85,51.7 h0.2 r90; PIN_NUMBER "45" at 71.85,52.5 h0.2 r90; PIN_NUMBER "3" at 71.93,72.5 h0.2 r90; PIN_NUMBER "19" at 71.85,62.9 h0.2 r90; PIN_NUMBER "17" at 71.85,63.7 h0.2 r90; PIN_NUMBER "12" at 63.65,68.9 h0.2 r90; PIN_NUMBER "10" at 63.65,69.7 h0.2 r90; PIN_NUMBER "8" at 63.73,70.5 h0.2 r90; PIN_NUMBER "30" at 63.65,58.5 h0.2 r90; PIN_NUMBER "32" at 63.65,57.7 h0.2 r90; PIN_NUMBER "22" at 63.65,61.7 h0.2 r90; PIN_NUMBER "7" at 71.93,70.9 h0.2 r90; PIN_NUMBER "11" at 71.85,69.3 h0.2 r90; PIN_NUMBER "13" at 71.85,68.5 h0.2 r90; PIN_NUMBER "23" at 71.85,61.3 h0.2 r90; PIN_NUMBER "25" at 71.85,60.5 h0.2 r90; PIN_NUMBER "31" at 71.85,58.1 h0.2 r90; PIN_NUMBER "33" at 71.85,57.3 h0.2 r90; PIN_NUMBER "1" at 71.93,73.3 h0.2 r90; PIN_NUMBER "38" at 63.65,55.3 h0.2 r90; PIN_NUMBER "36" at 63.65,56.1 h0.2 r90; PIN_NUMBER "48" at 63.65,51.3 h0.2 r90; PIN_NUMBER "6" at 63.73,71.3 h0.2 r90; PIN_NUMBER "28" at 63.65,59.3 h0.2 r90; PIN_NUMBER "16" at 63.65,67.3 h0.2 r90; PIN_NUMBER "14" at 63.65,68.1 h0.2 r90; PIN_NUMBER "20" at 63.65,62.5 h0.2 r90; PIN_NUMBER "42" at 63.65,53.7 h0.2 r90; PIN_NUMBER "46" at 63.65,52.1 h0.2 r90; PIN_NUMBER "44" at 63.65,52.9 h0.2 r90; Assembly-bottom "1" at 72.88,73.75 h0.3
J20: PIN_NUMBER "1" at 9.84,73.615 h0.2 r90; PIN_NUMBER "4" at 7.3,69.805 h0.2 r90; PIN_NUMBER "5" at 9.84,68.535 h0.2 r90; PIN_NUMBER "2" at 7.3,72.345 h0.2 r90; PIN_NUMBER "3" at 9.84,71.075 h0.2 r90; PIN_NUMBER "8" at 7.3,64.725 h0.2 r90; PIN_NUMBER "7" at 9.84,65.995 h0.2 r90; PIN_NUMBER "9" at 9.84,63.455 h0.2 r90; PIN_NUMBER "10" at 7.22,62.185 h0.2 r90; PIN_NUMBER "14" at -3.21,61.27 h0.2 r90; PIN_NUMBER "12" at -3.21,71.99 h0.2 r90; PIN_NUMBER "13" at -3.21,63.81 h0.2 r90; PIN_NUMBER "11" at -3.21,74.53 h0.2 r90; PIN_NUMBER "15" at 3.92,60.155 h0.2 r90; PIN_NUMBER "16" at 3.92,75.645 h0.2 r90
J21: PIN_NUMBER "1" at 21.182,77.919 h0.2 r90; PIN_NUMBER "2" at 17.665,77.919 h0.2 r90
J22: PIN_NUMBER "13" at 70.77,69.44 h0.2 r90; PIN_NUMBER "6" at 77.855,69.99 h0.2 r90; PIN_NUMBER "9" at 76.875,65.395 h0.2 r180; PIN_NUMBER "10" at 74.445,65.72 h0.2 r90; PIN_NUMBER "18" at 82.795,71.21 h0.2 r90; PIN_NUMBER "19" at 82.795,68.77 h0.2 r90; PIN_NUMBER "5" at 77.855,72.53 h0.2 r90; PIN_NUMBER "11" at 72.645,65.895 h0.2 r180; PIN_NUMBER "17" at 81.645,76.57 h0.2 r180; PIN_NUMBER "12" at 69.695,67.79 h0.2 r90; PIN_NUMBER "8" at 81.725,65.395 h0.2 r180; PIN_NUMBER "16" at 76.795,76.57 h0.2 r180; PIN_NUMBER "15" at 71.645,76.57 h0.2 r180; PIN_NUMBER "14" at 69.695,72.19 h0.2 r90; PIN_NUMBER "1" at 81.025,72.43 h0.2 r90; PIN_NUMBER "3" at 81.025,67.55 h0.2 r90; PIN_NUMBER "7" at 77.855,67.45 h0.2 r90; PIN_NUMBER "2" at 81.025,69.99 h0.2 r90; Assembly-top "EDGE" at 83.82,65.31 h0.3 r90; Assembly-top "EDGE" at 83.79,75.68 h0.3 r90; Assembly-top "Only GND Trace" at 69.698,74.627 h0.3
J23: PIN_NUMBER "3" at 10.389,39.478 h0.2 r90; PIN_NUMBER "2" at 10.371,36.937 h0.2 r90; PIN_NUMBER "1" at 10.347,34.395 h0.2 r90; PIN_NUMBER "4" at 10.371,42.017 h0.2 r90; Assembly-top "1" at 10.81,33.45 h0.3
J24: PIN_NUMBER "3" at 22.255,7.393 h0.2 r180; PIN_NUMBER "4" at 17.305,7.393 h0.2 r180; PIN_NUMBER "2" at 17.305,4.853 h0.2 r180; PIN_NUMBER "1" at 22.255,4.853 h0.2 r180; Assembly-top "1" at 23.36,2.623 h0.8 r90
L1: PIN_NUMBER "1" at 70.54,22.94 h0.2 r270; PIN_NUMBER "2" at 70.54,22.04 h0.2 r270
L2: PIN_NUMBER "6" at 63.66,45.35 h0.2; PIN_NUMBER "3" at 64.01,46.13 h0.2 r270; PIN_NUMBER "4" at 64.02,45.2 h0.2 r270; PIN_NUMBER "5" at 63.66,45.62 h0.2; PIN_NUMBER "6" at 63.64,45.053 h0.2; PIN_NUMBER "1" at 63.27,46.03 h0.2 r270; PIN_NUMBER "2" at 63.28,45.17 h0.2 r270
L3: PIN_NUMBER "2" at 63.28,43.22 h0.2 r270; PIN_NUMBER "1" at 63.27,44.08 h0.2 r270; PIN_NUMBER "6" at 63.64,43.102 h0.2; PIN_NUMBER "5" at 63.66,43.67 h0.2; PIN_NUMBER "4" at 64.02,43.25 h0.2 r270; PIN_NUMBER "3" at 64.01,44.18 h0.2 r270; PIN_NUMBER "6" at 63.66,43.4 h0.2
L4: PIN_NUMBER "6" at 63.66,41.45 h0.2; PIN_NUMBER "3" at 64.01,42.23 h0.2 r270; PIN_NUMBER "4" at 64.02,41.3 h0.2 r270; PIN_NUMBER "5" at 63.66,41.72 h0.2; PIN_NUMBER "6" at 63.64,41.153 h0.2; PIN_NUMBER "1" at 63.27,42.13 h0.2 r270; PIN_NUMBER "2" at 63.28,41.27 h0.2 r270
L10: PIN_NUMBER "1" at 7.59,9.34 h0.2; PIN_NUMBER "2" at 8.49,9.34 h0.2
L11: PIN_NUMBER "2" at 58.13,30.36 h0.2 r90; PIN_NUMBER "1" at 58.14,29.5 h0.2 r90; PIN_NUMBER "6" at 57.77,30.478 h0.2 r180; PIN_NUMBER "5" at 57.75,29.91 h0.2 r180; PIN_NUMBER "4" at 57.39,30.33 h0.2 r90; PIN_NUMBER "3" at 57.4,29.4 h0.2 r90; PIN_NUMBER "6" at 57.75,30.18 h0.2 r180
L12: PIN_NUMBER "6" at 57.75,28.23 h0.2 r180; PIN_NUMBER "3" at 57.4,27.45 h0.2 r90; PIN_NUMBER "4" at 57.39,28.38 h0.2 r90; PIN_NUMBER "5" at 57.75,27.96 h0.2 r180; PIN_NUMBER "6" at 57.77,28.527 h0.2 r180; PIN_NUMBER "1" at 58.14,27.55 h0.2 r90; PIN_NUMBER "2" at 58.13,28.41 h0.2 r90
L13: PIN_NUMBER "2" at 58.13,26.46 h0.2 r90; PIN_NUMBER "1" at 58.14,25.6 h0.2 r90; PIN_NUMBER "6" at 57.77,26.578 h0.2 r180; PIN_NUMBER "5" at 57.75,26.01 h0.2 r180; PIN_NUMBER "4" at 57.39,26.43 h0.2 r90; PIN_NUMBER "3" at 57.4,25.5 h0.2 r90; PIN_NUMBER "6" at 57.75,26.28 h0.2 r180
L20: PIN_NUMBER "2" at 23.667,69.803 h0.2 r270; PIN_NUMBER "1" at 23.683,71.399 h0.2 r270
L21: PIN_NUMBER "2" at 28.267,63.303 h0.2 r270; PIN_NUMBER "1" at 28.283,64.899 h0.2 r270
L22: PIN_NUMBER "2" at 8.49,7.32 h0.2 r270; PIN_NUMBER "1" at 8.49,8.22 h0.2 r270
L23: PIN_NUMBER "2" at 37.85,34.95 h0.2; PIN_NUMBER "1" at 37.85,37.65 h0.2
L24: PIN_NUMBER "2" at 34.25,34.95 h0.2; PIN_NUMBER "1" at 34.25,37.65 h0.2
LD4: PIN_NUMBER "2" at 82.383,64.048 h0.2 r90; PIN_NUMBER "1" at 82.363,62.553 h0.2 r90
LD5: PIN_NUMBER "1" at 82.363,59.453 h0.2 r90; PIN_NUMBER "2" at 82.383,60.948 h0.2 r90
LD8: PIN_NUMBER "1" at 64.95,81.025 h0.2; PIN_NUMBER "2" at 65.85,81.025 h0.2; PIN_NUMBER "3" at 66.75,81.025 h0.2; PIN_NUMBER "6" at 64.95,83.975 h0.2; PIN_NUMBER "5" at 65.85,83.975 h0.2; PIN_NUMBER "4" at 66.75,83.975 h0.2
LD9: PIN_NUMBER "2" at 82.383,39.248 h0.2 r90; PIN_NUMBER "1" at 82.363,37.753 h0.2 r90
LD10: PIN_NUMBER "2" at 82.383,42.348 h0.2 r90; PIN_NUMBER "1" at 82.363,40.853 h0.2 r90
LD11: PIN_NUMBER "2" at 82.157,43.752 h0.2 r270; PIN_NUMBER "1" at 82.177,45.247 h0.2 r270
LD12: PIN_NUMBER "2" at 82.157,46.852 h0.2 r270; PIN_NUMBER "1" at 82.177,48.347 h0.2 r270
LD13: PIN_NUMBER "2" at 82.383,54.748 h0.2 r90; PIN_NUMBER "1" at 82.363,53.253 h0.2 r90
LD14: PIN_NUMBER "2" at 82.383,51.648 h0.2 r90; PIN_NUMBER "1" at 82.363,50.153 h0.2 r90
LD15: PIN_NUMBER "1" at 13.587,49.957 h0.2 r270; PIN_NUMBER "2" at 13.567,48.462 h0.2 r270
LD16: PIN_NUMBER "2" at 14.797,55.022 h0.2 r270; PIN_NUMBER "1" at 14.817,56.517 h0.2 r270
LD17: PIN_NUMBER "1" at 82.363,56.353 h0.2 r90; PIN_NUMBER "2" at 82.383,57.848 h0.2 r90
LD18: PIN_NUMBER "1" at 12.437,36.657 h0.2 r270; PIN_NUMBER "2" at 12.417,35.162 h0.2 r270
MOD1: PIN_NUMBER "D8" at 26.19,10.99 h0.2 r180; PIN_NUMBER "E8" at 25.29,10.99 h0.2 r180; PIN_NUMBER "B7" at 27.99,11.89 h0.2 r180; PIN_NUMBER "B8" at 27.99,10.99 h0.2 r180; PIN_NUMBER "G1" at 23.49,17.29 h0.2 r180; PIN_NUMBER "H1" at 22.59,17.29 h0.2 r180; PIN_NUMBER "J1" at 21.69,17.29 h0.2 r180; PIN_NUMBER "K1" at 20.79,17.29 h0.2 r180; PIN_NUMBER "E2" at 25.29,16.39 h0.2 r180; PIN_NUMBER "K2" at 20.79,16.39 h0.2 r180; PIN_NUMBER "F2" at 24.39,16.39 h0.2 r180; PIN_NUMBER "G2" at 23.49,16.39 h0.2 r180; PIN_NUMBER "E1" at 25.29,17.29 h0.2 r180; PIN_NUMBER "L8" at 19.89,10.99 h0.2 r180; PIN_NUMBER "L3" at 19.89,15.49 h0.2 r180; PIN_NUMBER "B9" at 27.99,10.09 h0.2 r180; PIN_NUMBER "J9" at 21.69,10.09 h0.2 r180; PIN_NUMBER "B2" at 27.99,16.39 h0.2 r180; PIN_NUMBER "C9" at 27.09,10.09 h0.2 r180; PIN_NUMBER "L9" at 19.89,10.09 h0.2 r180; PIN_NUMBER "L1" at 19.89,17.29 h0.2 r180; PIN_NUMBER "C8" at 27.09,10.99 h0.2 r180; PIN_NUMBER "C2" at 27.09,16.39 h0.2 r180; PIN_NUMBER "D1" at 26.19,17.29 h0.2 r180; PIN_NUMBER "D2" at 26.19,16.39 h0.2 r180; PIN_NUMBER "C1" at 27.09,17.29 h0.2 r180; PIN_NUMBER "A5" at 28.89,13.69 h0.2 r180; PIN_NUMBER "B4" at 27.99,14.59 h0.2 r180; PIN_NUMBER "B6" at 27.99,12.79 h0.2 r180; PIN_NUMBER "A6" at 28.89,12.79 h0.2 r180; PIN_NUMBER "B3" at 27.99,15.49 h0.2 r180; PIN_NUMBER "A3" at 28.89,15.49 h0.2 r180; PIN_NUMBER "N4" at 18.09,14.59 h0.2 r180; PIN_NUMBER "A9" at 29.24,10.09 h0.2 r180; PIN_NUMBER "M1" at 18.64,17.29 h0.2 r180; PIN_NUMBER "M9" at 18.64,10.09 h0.2 r180; PIN_NUMBER "N5" at 18.09,13.69 h0.2 r180; PIN_NUMBER "M5" at 18.99,13.69 h0.2 r180; PIN_NUMBER "M4" at 18.99,14.59 h0.2 r180; PIN_NUMBER "M3" at 18.99,15.49 h0.2 r180; PIN_NUMBER "E9" at 25.29,10.09 h0.2 r180; PIN_NUMBER "G8" at 23.49,10.99 h0.2 r180; PIN_NUMBER "H9" at 22.59,10.09 h0.2 r180; PIN_NUMBER "B5" at 27.99,13.69 h0.2 r180; PIN_NUMBER "F8" at 24.39,10.99 h0.2 r180; PIN_NUMBER "E6" at 25.64,12.69 h0.2 r180; PIN_NUMBER "H6" at 22.24,12.69 h0.2 r180; PIN_NUMBER "H4" at 22.24,14.69 h0.2 r180; PIN_NUMBER "E4" at 25.64,14.69 h0.2 r180; PIN_NUMBER "A1" at 29.24,17.29 h0.2 r180; PIN_NUMBER "F1" at 24.39,17.29 h0.2 r180; PIN_NUMBER "A4" at 28.89,14.59 h0.2 r180; PIN_NUMBER "M6" at 18.99,12.79 h0.2 r180; PIN_NUMBER "B1" at 27.99,17.29 h0.2 r180; PIN_NUMBER "D9" at 26.19,10.09 h0.2 r180; PIN_NUMBER "A7" at 28.89,11.89 h0.2 r180; PIN_NUMBER "M7" at 18.99,11.89 h0.2 r180; PIN_NUMBER "L7" at 19.89,11.89 h0.2 r180; PIN_NUMBER "L6" at 19.89,12.79 h0.2 r180; PIN_NUMBER "L5" at 19.89,13.69 h0.2 r180; PIN_NUMBER "L4" at 19.89,14.59 h0.2 r180; PIN_NUMBER "K9" at 20.79,10.09 h0.2 r180; PIN_NUMBER "K8" at 20.79,10.99 h0.2 r180; PIN_NUMBER "J8" at 21.69,10.99 h0.2 r180; PIN_NUMBER "H8" at 22.59,10.99 h0.2 r180; PIN_NUMBER "G9" at 23.49,10.09 h0.2 r180; PIN_NUMBER "F9" at 24.39,10.09 h0.2 r180; PIN_NUMBER "J2" at 21.69,16.39 h0.2 r180; PIN_NUMBER "L2" at 19.89,16.39 h0.2 r180; PIN_NUMBER "H2" at 22.59,16.39 h0.2 r180
MOD2: PIN_NUMBER "4" at -1,18.2 h0.2 r90; PIN_NUMBER "2" at -3.4,18.2 h0.2 r90; PIN_NUMBER "24" at 3.72,29.5 h0.2 r90; PIN_NUMBER "23" at 4.92,29.5 h0.2 r90; PIN_NUMBER "19" at 8.67,27.45 h0.2 r180; PIN_NUMBER "18" at 8.67,26.25 h0.2 r180; PIN_NUMBER "25" at 2.52,29.5 h0.2 r90; PIN_NUMBER "28" at -1.08,29.5 h0.2 r90; PIN_NUMBER "26" at 1.32,29.5 h0.2 r90; PIN_NUMBER "17" at 8.67,25.05 h0.2 r180; PIN_NUMBER "21" at 7.32,29.5 h0.2 r90; PIN_NUMBER "22" at 6.12,29.5 h0.2 r90; PIN_NUMBER "29" at -2.28,29.5 h0.2 r90; PIN_NUMBER "27" at 0.12,29.5 h0.2 r90; PIN_NUMBER "11" at 7.32,18.2 h0.2 r90; PIN_NUMBER "10" at 6.12,18.2 h0.2 r90; PIN_NUMBER "9" at 5,18.2 h0.2 r90; PIN_NUMBER "8" at 3.8,18.2 h0.2 r90; PIN_NUMBER "7" at 2.6,18.2 h0.2 r90; PIN_NUMBER "3" at -2.2,18.2 h0.2 r90; PIN_NUMBER "16" at 8.67,23.85 h0.2 r180; PIN_NUMBER "14" at 8.67,21.45 h0.2 r180; PIN_NUMBER "15" at 8.67,22.65 h0.2 r180; PIN_NUMBER "13" at 8.67,20.25 h0.2 r180; PIN_NUMBER "30" at -3.48,29.5 h0.2 r90; PIN_NUMBER "12" at 8.52,18.2 h0.2 r90; PIN_NUMBER "1" at -4.6,18.2 h0.2 r90; PIN_NUMBER "31" at -4.68,29.5 h0.2 r90; PIN_NUMBER "20" at 8.52,29.5 h0.2 r90; PIN_NUMBER "6" at 1.4,18.2 h0.2 r90; PIN_NUMBER "5" at 0.2,18.2 h0.2 r90
Q1: PIN_NUMBER "3" at 46.64,24.7 h0.2 r90; PIN_NUMBER "2" at 48.93,23.7 h0.2 r90; PIN_NUMBER "1" at 49.01,25.7 h0.2 r90